# Allegro board Chronos.brd
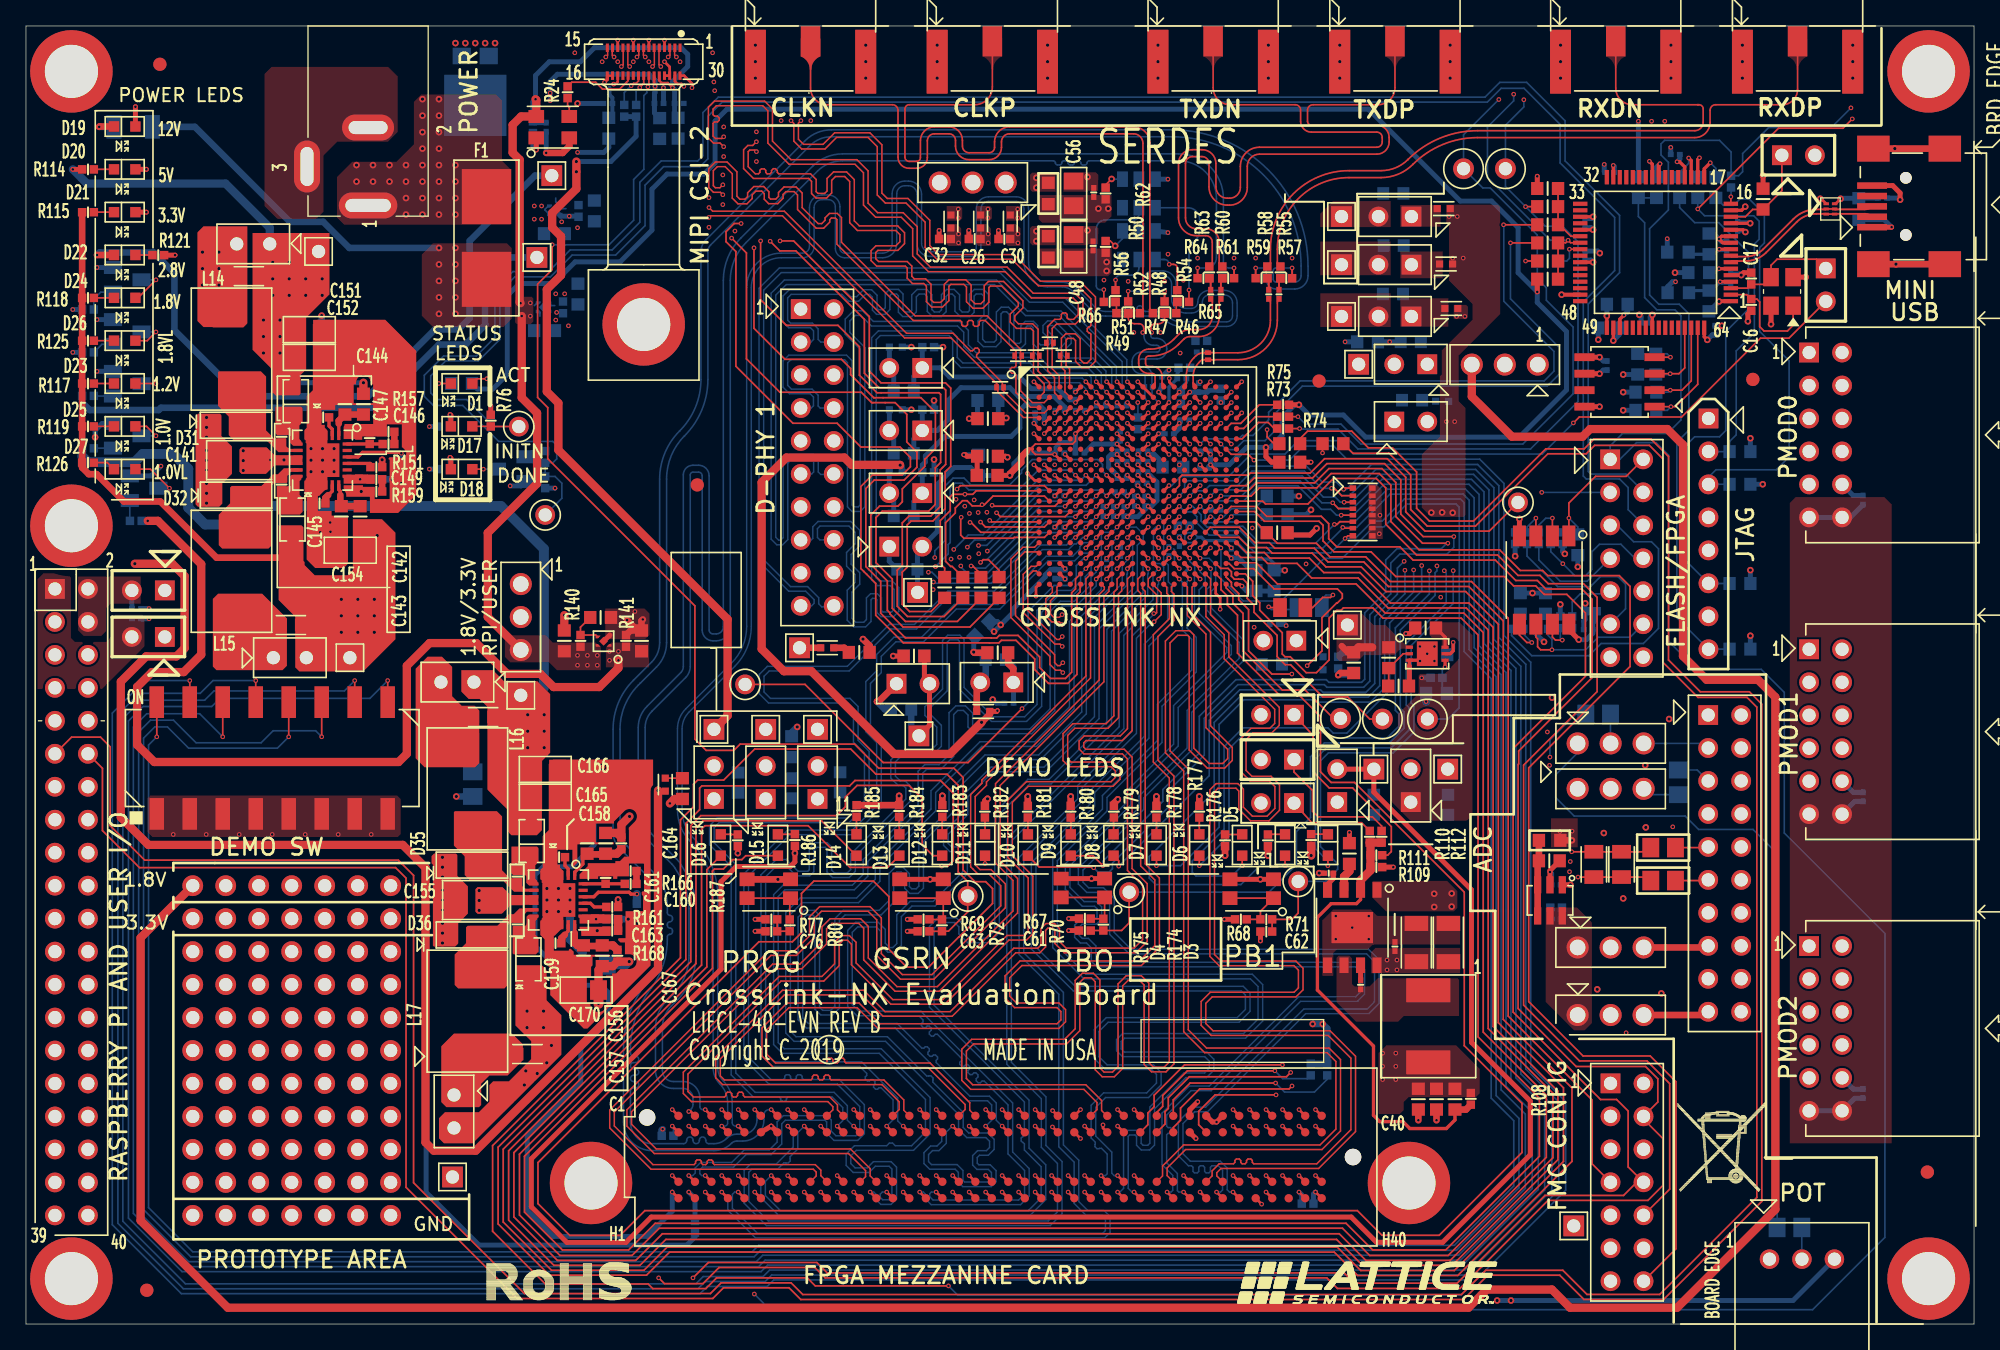
[diagram p0: board, top side]
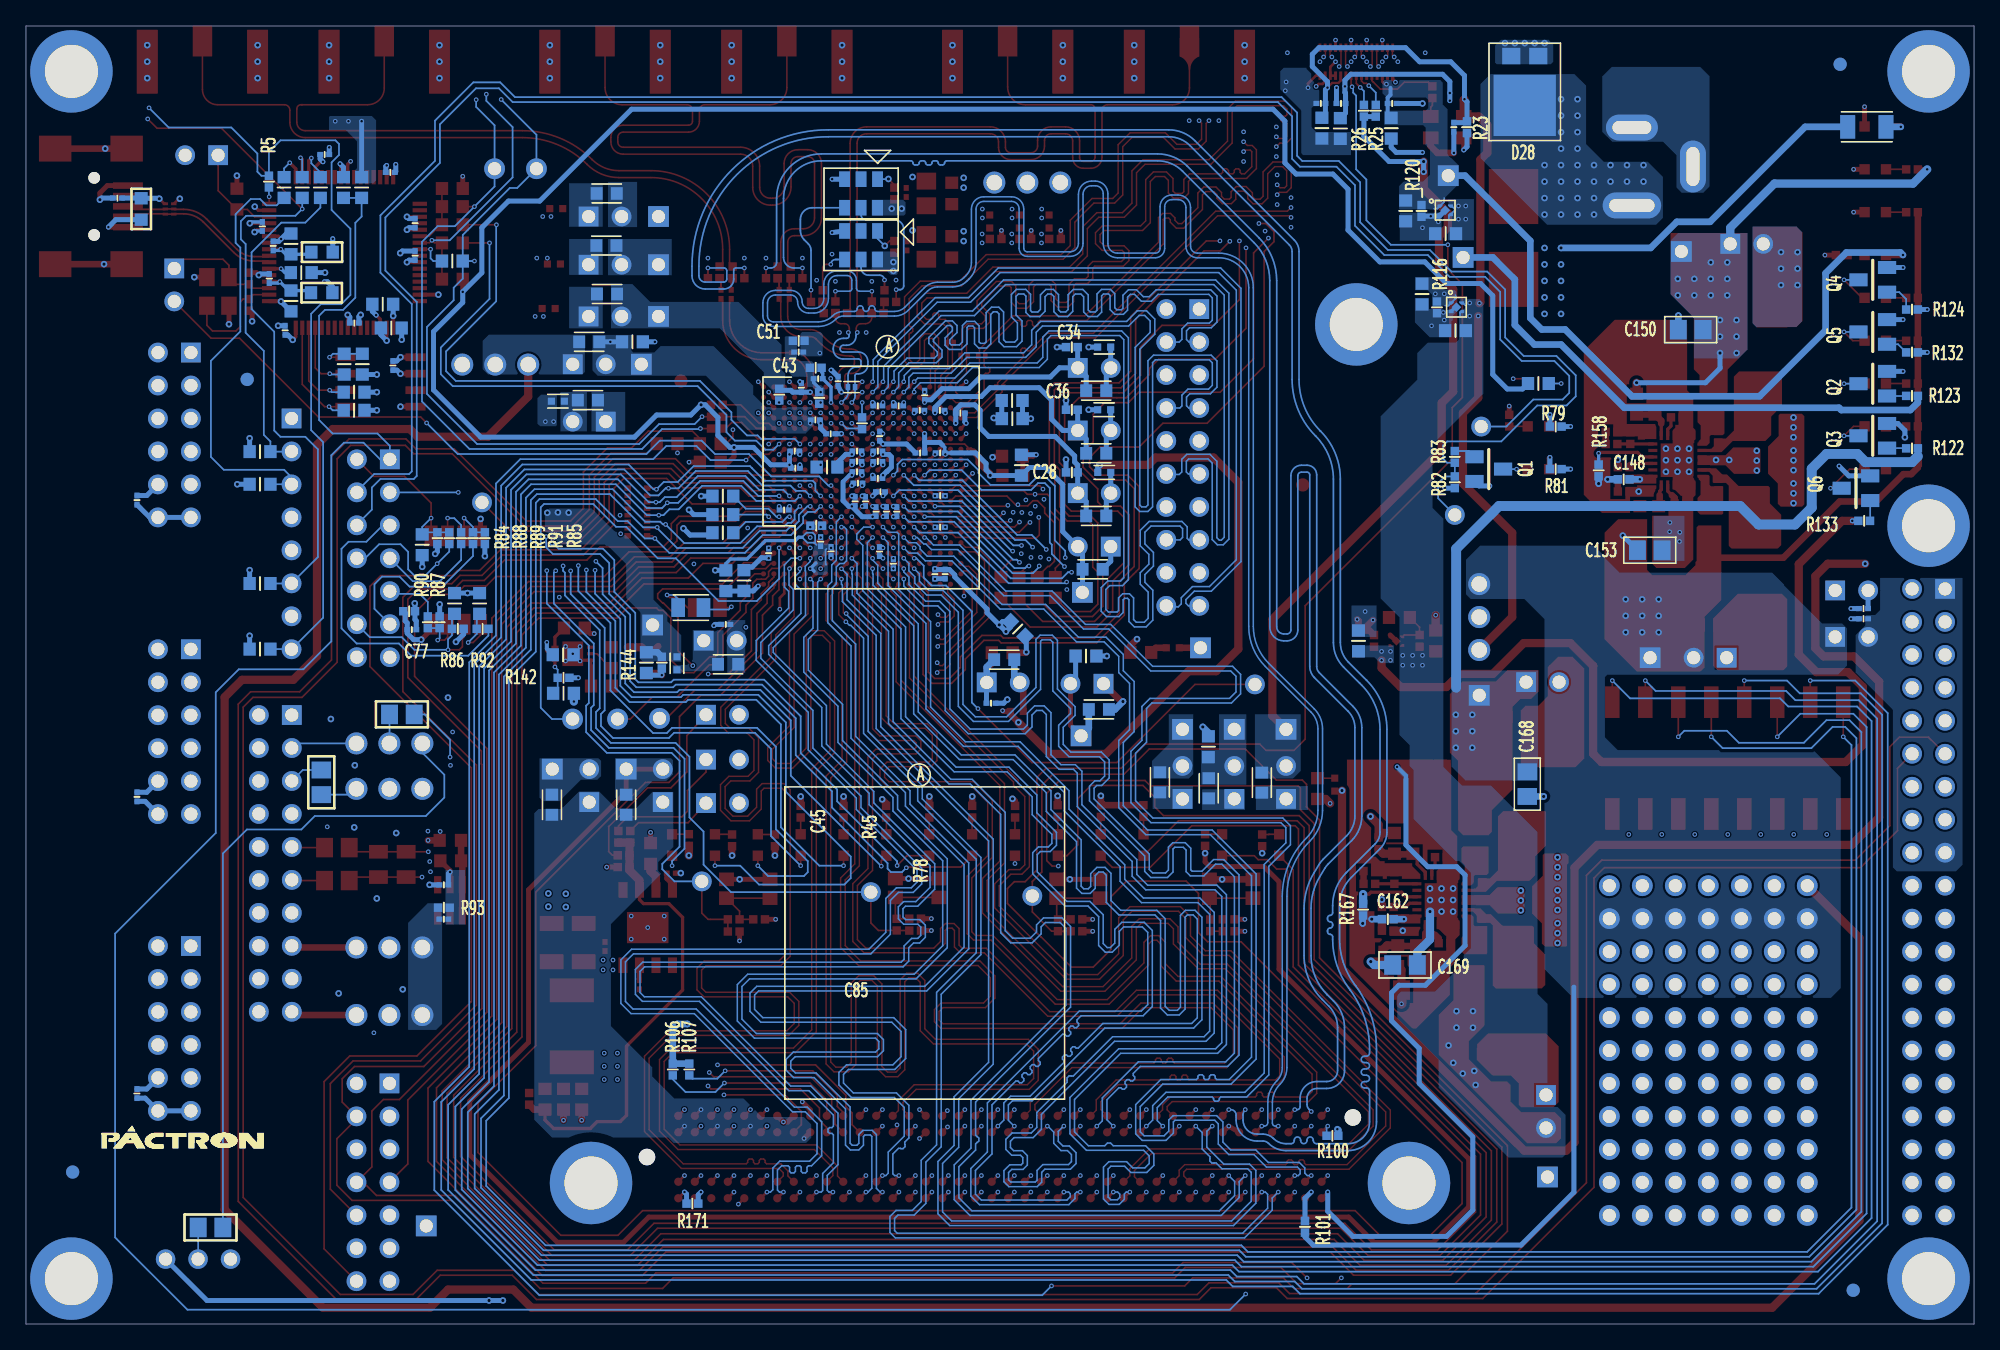
[diagram p1: board, bottom side, seen from below]

Outline 150 x 100 mm; copper layers: TOP, L02_GND, L03_PWR, L04_SIG, L05_GND, BOTTOM. Coordinates in mm from the lower left corner of the outline.
Outline path: 0,100 0,0 150,0 150,100 0,100

## Design rules (mm)
net group CLOCK_125MZ: nets 125MHZ 125MHZ_N
net group CLOCK_200MZ: nets 200MHZ 200MHZ_N
net group DIFFPAIR4: nets TXDNF TXDPF
net group DIFFPAIR6: nets DM DP
net group DIFFPAIR7: nets RXDN RXDP
net group DIFFPAIR8: nets TXDN TXDP
net group DIFFPAIR9: nets OSCN OSCP
net group DIFFPAIR10: nets TXDN_FMC TXDP_FMC
net group DIFFPAIR11: nets RXDN_FMC RXDP_FMC
net group DIFFPAIR12: nets DPHY1_CKN DPHY1_CKP
net group DIFFPAIR13: nets DPHY1_DN0 DPHY1_DP0
net group DIFFPAIR14: nets DPHY1_DN1 DPHY1_DP1
net group DIFFPAIR15: nets DPHY1_DN2 DPHY1_DP2
net group DIFFPAIR40: nets DPHY1_DN3 DPHY1_DP3
net group DIFFPAIR41: nets REFCLKN_FMC REFCLKP_FMC
net group DIFFPAIR52: nets CAM0_2N CAM0_2P
net group DIFFPAIR53: nets CAM0_0N CAM0_0P
net group DIFFPAIR54: nets CAM0_CLKN CAM0_CLKP
net group DIFFPAIR55: nets CAM0_1N CAM0_1P
net group DIFFPAIR56: nets CAM0_3N CAM0_3P
net group ADC_GROUP: nets N17168384 N17168405 N17171687 N17361222 N17453585 N17456025
net group PMOD0: nets PMOD0_1 PMOD0_2 PMOD0_3 PMOD0_4 PMOD0_7 PMOD0_8 PMOD0_9 PMOD0_10
net group PMOD1: nets PMOD1_1 PMOD1_2 PMOD1_3 PMOD1_4 PMOD1_7 PMOD1_8 PMOD1_9 PMOD1_10
net group PMOD2: nets PMOD2_1 PMOD2_2 PMOD2_3 PMOD2_4 PMOD2_7 PMOD2_8 PMOD2_9 PMOD2_10
net group POWER: nets N17051987 N17052185 N17052239 N17104181 N17321965 N17329427 N17329480 N17329573 VBUS_5V
net group RASP_IO: nets RASP_ID_SC RASP_ID_SD RASP_IO14 RASP_IO15 RASP_IO17 RASP_IO18

## Placement (name value [footprint] x y rotation side)
AA1  T POINT R  [TP]  28.08 33.77 0 top
AA2  T POINT R  [TP]  25.54 31.23 90 top
AA3  T POINT R  [TP]  28.08 13.45 90 top
AA4  T POINT R  [TP]  20.46 13.45 90 top
AA5  T POINT R  [TP]  28.08 28.69 90 top
AA6  T POINT R  [TP]  28.08 26.15 90 top
AA7  T POINT R  [TP]  28.08 23.61 90 top
AA8  T POINT R  [TP]  28.08 21.07 90 top
AA9  T POINT R  [TP]  28.08 18.53 90 top
AA10  T POINT R  [TP]  28.08 10.91 90 top
AA11  T POINT R  [TP]  28.08 8.37 0 top
AB1  T POINT R  [TP]  25.54 33.77 0 top
AB2  T POINT R  [TP]  23 31.23 90 top
AB3  T POINT R  [TP]  25.54 26.15 90 top
AB4  T POINT R  [TP]  25.54 23.61 90 top
AB5  T POINT R  [TP]  25.54 21.07 90 top
AB6  T POINT R  [TP]  25.54 18.53 90 top
AB7  T POINT R  [TP]  25.54 15.99 90 top
AB8  T POINT R  [TP]  25.54 13.45 90 top
AB9  T POINT R  [TP]  25.54 10.91 90 top
AB10  T POINT R  [TP]  28.08 15.99 90 top
AB11  T POINT R  [TP]  25.54 8.37 0 top
AC1  T POINT R  [TP]  23 33.77 0 top
AC2  T POINT R  [TP]  20.46 31.23 90 top
AC3  T POINT R  [TP]  23 15.99 90 top
AC4  T POINT R  [TP]  23 23.61 90 top
AC5  T POINT R  [TP]  23 26.15 90 top
AC6  T POINT R  [TP]  23 28.69 90 top
AC7  T POINT R  [TP]  25.54 28.69 90 top
AC8  T POINT R  [TP]  23 10.91 90 top
AC9  T POINT R  [TP]  23 13.45 90 top
AC10  T POINT R  [TP]  23 21.07 90 top
AC11  T POINT R  [TP]  23 8.37 0 top
AD1  T POINT R  [TP]  20.46 33.77 0 top
AD2  T POINT R  [TP]  28.08 31.23 90 top
AD3  T POINT R  [TP]  20.46 21.07 90 top
AD4  T POINT R  [TP]  20.46 10.91 90 top
AD5  T POINT R  [TP]  20.46 18.53 90 top
AD6  T POINT R  [TP]  23 18.53 90 top
AD7  T POINT R  [TP]  20.46 28.69 90 top
AD8  T POINT R  [TP]  20.46 26.15 90 top
AD9  T POINT R  [TP]  20.46 23.61 90 top
AD10  T POINT R  [TP]  20.46 15.99 90 top
AD11  T POINT R  [TP]  20.46 8.37 0 top
AE1  T POINT R  [TP]  17.92 33.77 0 top
AE2  T POINT R  [TP]  17.92 31.23 90 top
AE3  T POINT R  [TP]  17.92 23.61 90 top
AE4  T POINT R  [TP]  17.92 18.53 90 top
AE5  T POINT R  [TP]  17.92 15.99 90 top
AE6  T POINT R  [TP]  17.92 13.45 90 top
AE7  T POINT R  [TP]  17.92 10.91 90 top
AE8  T POINT R  [TP]  17.92 28.69 90 top
AE9  T POINT R  [TP]  17.92 21.07 90 top
AE10  T POINT R  [TP]  17.92 26.15 90 top
AE11  T POINT R  [TP]  17.92 8.37 0 top
AF1  T POINT R  [TP]  15.38 33.77 0 top
AF2  T POINT R  [TP]  15.38 31.23 0 top
AF3  T POINT R  [TP]  15.38 28.69 0 top
AF4  T POINT R  [TP]  15.38 26.15 0 top
AF5  T POINT R  [TP]  15.38 23.61 0 top
AF6  T POINT R  [TP]  15.38 21.07 0 top
AF7  T POINT R  [TP]  15.38 18.53 0 top
AF8  T POINT R  [TP]  15.38 15.99 0 top
AF9  T POINT R  [TP]  15.38 13.45 0 top
AF10  T POINT R  [TP]  15.38 10.91 0 top
AF11  T POINT R  [TP]  15.38 8.37 0 top
AG1  T POINT R  [TP]  12.84 33.77 0 top
AG2  T POINT R  [TP]  12.84 31.23 0 top
AG3  T POINT R  [TP]  12.84 28.69 0 top
AG4  T POINT R  [TP]  12.84 26.15 0 top
AG5  T POINT R  [TP]  12.84 23.61 0 top
AG6  T POINT R  [TP]  12.84 21.07 0 top
AG7  T POINT R  [TP]  12.84 18.53 0 top
AG8  T POINT R  [TP]  12.84 15.99 0 top
AG9  T POINT R  [TP]  12.84 13.45 0 top
AG10  T POINT R  [TP]  12.84 10.91 0 top
AG11  T POINT R  [TP]  12.84 8.37 0 top
C1  0.1uF  [C0201]  124.72 77.12 180 bottom
C2  0.1uF  [C0201]  120.04 82.31 90 bottom
C3  0.1uF  [C0201]  127 90.1 180 bottom
C4  0.1uF  [C0201]  121.95 88.72 180 bottom
C5  10uF  [C0603]  121.87 76.73 0 bottom
C6  4.7uF  [C0603]  129.59 83.21 270 bottom
C7  0.1uF  [C0201]  130.96 83.06 90 bottom
C8  0.1uF  [C0201]  142.96 86.74 0 bottom
C9  0.1uF  [C0201]  131.27 80.54 90 bottom
C10  4.7uF  [C0603]  129.59 78.82 90 bottom
C11  0.1uF  [C0201]  120.04 84.81 90 bottom
C12  0.1uF  [C0201]  131.8 84.56 90 bottom
C13  0.1uF  [C0201]  130.05 76.56 90 bottom
C14  10uF  [C0603]  122.53 78.56 180 bottom
C15  0.1uF  [C0201]  121.74 73.84 90 bottom
C16  18pF  [C0402]  132.84 78.51 90 top
C17  18pF  [C0402]  132.84 80.54 270 top
C18  0.1uF  [C0201]  44.8 94.03 180 bottom
C19  0.1uF  [C0201]  48.74 94.03 0 bottom
C20  0.1uF  [C0201]  40.06 92.2 270 bottom
C21  1uF  [C0603]  44.88 92.12 270 bottom
C22  10uF  [C0603]  48.79 92.1 270 bottom
C23  1uF  [C0603]  50.22 92.13 270 bottom
C24  0.1uF  [C0201]  50.29 94.03 0 bottom
C25  0.1uF  [C0201]  82.8 70.74 0 bottom
C26  10uF  [C0402]  73.05 83.59 180 top
C27  0.1uF  [C0201]  78.05 70.18 180 bottom
C28  10uF  [C0402]  69.47 65.61 0 bottom
C29  0.1uF  [C0201]  84.4 70.74 0 bottom
C30  10uF  [C0402]  75.34 83.59 180 top
C31  0.1uF  [C0201]  81.18 70.38 0 bottom
C32  10uF  [C0402]  70.76 83.59 180 top
C33  0.1uF  [C0201]  80.8 71.55 90 bottom
C34  10uF  [C0402]  69.47 75.26 0 bottom
C35  0.1uF  [C0201]  79.63 70.38 180 bottom
C36  10uF  [C0402]  69.47 70.43 0 bottom
C37  0.1uF  [C0201]  8.51 55.12 0 bottom
C38  0.1uF  [C0201]  8.51 54.33 0 bottom
C39  10uF  [C0603]  68.38 51.46 180 top
C40  10uF  [C0603]  68.38 51.46 180 bottom
C41  0.1uF  [C0201]  79.6 63.81 0 bottom
C42  0.1uF  [C0201]  79.6 61.39 0 bottom
C43  10uF  [C0402]  89.19 73.67 180 bottom
C44  0.1uF  [C0201]  89 72.83 180 bottom
C45  10uF  [C0402]  92 71.6 90 bottom
C46  0.1uF  [C0201]  90.3 72.14 270 bottom
C47  0.1uF  [C0201]  87.47 72.63 270 bottom
C48  1UF-16V-0805SMT  [RLP-133]  80.67 82.98 180 top
C49  0.1uF  [C0201]  82.17 83.06 270 top
C50  0.1uF  [C0201]  96.48 79.32 270 top
C51  10uF  [C0402]  90.5 75.74 180 bottom
C52  0.1uF  [C0201]  90.5 74.88 180 bottom
C53  0.1uF  [C0201]  95.69 79.32 270 top
C54  0.1uF  [C0201]  92.01 79.32 270 top
C55  0.1uF  [C0201]  91.22 79.32 270 top
C56  1UF-16V-0805SMT  [RLP-133]  80.67 87.1 180 top
C57  0.1uF  [C0201]  82.22 87.17 270 top
C58  10uF  [C0603]  94.72 57.28 270 bottom
C59  0.1uF  [C0201]  91.62 62.71 0 bottom
C60  0.1uF  [C0201]  92.81 59.39 90 bottom
C61  10nF  [RLP-130-A]  81.53 30.31 270 top
C62  10nF  [RLP-130-A]  95.5 30.24 270 top
C63  10nF  [RLP-130-A]  69.11 30.26 270 top
C64  10uF  [C0603]  97.31 66.4 0 top
C65  0.1uF  [C0201]  90.76 65.94 180 bottom
C66  0.1uF  [C0201]  90.81 67.25 180 bottom
C67  0.1uF  [C0201]  141.45 63.47 90 bottom
C68  10uF  [C0603]  74.01 65.38 180 top
C69  10uF  [C0603]  73.36 66.17 90 bottom
C70  0.1uF  [C0201]  79.6 67.11 0 bottom
C71  0.1uF  [C0201]  81.15 67.11 0 bottom
C72  0.1uF  [C0201]  141.45 40.61 90 bottom
C73  0.1uF  [C0201]  141.45 17.75 90 bottom
C74  10uF  [C0603]  103.3 75.67 180 bottom
C75  0.1uF  [C0201]  89.22 69.65 180 bottom
C76  10nF  [RLP-130-A]  57.39 30.26 270 top
C77  10nF  [RLP-130-A]  120.5 54.91 90 bottom
C78  0.1uF  [C0201]  120.29 53.49 180 bottom
C79  20pF  [RLP-132]  119.49 60.03 180 bottom
C80  20pF  [RLP-132]  115.07 55.51 0 bottom
C81  20pF  [RLP-132]  117 55.51 0 bottom
C82  1uF  [C0603]  117.3 35.69 0 top
C83  0.1uF  [C0201]  117.82 31.19 180 bottom
C84  0.1uF  [C0201]  117.82 33.83 180 bottom
C85  10uF  [C0402]  89.15 61.5 0 bottom
C86  0.1uF  [C0201]  96.11 53.9 180 bottom
C87  1600pF  [C0805]  98.81 55.19 180 bottom
C88  1600pF  [C0805]  97.54 55.19 180 top
C89  1600pF  [C0805]  120.73 35.41 270 top
C90  1600pF  [C0805]  122.86 35.41 270 top
C91  10uF  [C0603]  73.63 53.54 225 bottom
C92  0.1uF  [C0201]  80.01 57.77 270 bottom
C93  0.1uF  [C0201]  79.22 57.77 270 bottom
C94  10uF  [C0603]  58.95 44.48 90 bottom
C95  0.1uF  [C0201]  83.21 58.57 90 bottom
C96  0.1uF  [C0201]  84.28 59.51 270 bottom
C97  10uF 25V 1206  [C1206]  107.06 29.39 90 top
C98  10uF 25V 1206  [C1206]  109.52 29.39 90 top
C99  0.1uF  [C0201]  105.41 29.08 90 top
C100  0.1uF  [C0201]  102.77 26.14 270 top
C101  0.1nF  [C0603]  110.03 17.32 270 top
C102  1uF  [C0603]  101.9 36.25 90 top
C103  22uF  [C0603]  107.21 17.32 270 top
C104  22uF  [C0603]  108.61 17.32 270 top
C105  3.3nF  [C0201]  100.31 34.73 180 top
C106  0.1uF  [C0201]  88.01 59.52 270 bottom
C107  0.1uF  [C0201]  88.81 60.28 90 bottom
C108  10uF  [C0603]  96.11 57.27 270 bottom
C109  1.0uF  [C0603]  39.93 76.53 0 bottom
C110  1.0uF  [C0603]  42.5 79.35 270 bottom
C111  1.0uF  [C0603]  40.69 84 0 bottom
C112  1.0uF  [C0603]  43.76 85.75 270 bottom
C113  0.1uF  [C0201]  84.26 68.4 270 bottom
C114  0.1uF  [C0201]  84.4 66.45 0 bottom
C115  0.1uF  [C0201]  84.2 64.11 0 bottom
C116  0.1uF  [C0201]  85.94 64.78 180 bottom
C117  0.1uF  [C0201]  86.02 66.45 180 bottom
C118  0.1uF  [C0201]  88.04 68.58 0 bottom
C119  0.1uF  [C0201]  83.75 62.59 90 bottom
C120  0.1uF  [C0201]  85.36 63.37 90 bottom
C121  10uF-16V-0603SMT  [C0603]  74.05 69.75 0 bottom
C122  10uF-16V-0603SMT  [C0603]  74.07 69.75 0 top
C123  10uF-16V-0603SMT  [C0603]  74.07 71.15 0 bottom
C124  0.1uF  [C0201]  86.02 67.25 180 bottom
C125  10uF-16V-0603SMT  [C0603]  88.32 66.01 180 bottom
C126  0.1uF  [C0201]  86.02 65.65 180 bottom
C127  0.1uF  [C0201]  82.95 62.59 90 bottom
C128  0.1uF  [C0201]  84.4 67.25 0 bottom
C129  0.1uF  [C0201]  84.55 62.59 90 bottom
C130  0.1uF  [C0201]  84.4 65.15 0 bottom
C131  0.1uF  [C0201]  86.16 63.37 90 bottom
C132  0.1uF  [C0201]  75.69 47.83 180 bottom
C133  10uF-16V-0603SMT  [C0603]  74.04 66.85 0 top
C134  10uF-16V-0603SMT  [C0603]  74.83 51.71 0 top
C135  1uF  [C0603]  41.45 52.63 90 top
C136  1uF  [C0603]  107.77 53.62 180 top
C137  1uF  [C0603]  47.4 52.63 90 top
C138  10uF  [C0603]  47.4 52.63 90 bottom
C139  1uF  [C0603]  102.23 50.95 270 top
C140  10uF  [C0603]  102.23 50.95 270 bottom
C141  10uF,25V-1206SMT  [RLP-134]  16.41 66.55 270 top
C142  220NF-0402SMT  [RLP-130-A]  19.68 68.35 180 top
C143  220NF-0402SMT  [RLP-130-A]  19.68 64.67 180 top
C144  1000pF-0402SMT  [RLP-130-A]  22.89 69.85 90 top
C145  1000pF-0402SMT  [RLP-130-A]  22.61 63.22 270 top
C146  330pF-0402SMT  [RLP-130-A]  27.91 67.79 90 top
C147  10pF-0402SMT  [RLP-130-A]  26.47 68.25 180 top
C148  10pF-0402SMT  [RLP-130-A]  26.97 65.07 270 bottom
C149  330pF-0402SMT  [RLP-130-A]  26.97 65.07 90 top
C150  22uF,6.3V-0805SMT  [RLP-133]  21.82 76.61 270 bottom
C151  22uF,6.3V-0805SMT  [RLP-133]  21.82 76.61 90 top
C152  22uF,6.3V-0805SMT  [RLP-133]  21.82 74.47 90 top
C153  22uF,6.3V-0805SMT  [RLP-133]  24.97 59.61 90 bottom
C154  22uF,6.3V-0805SMT  [RLP-133]  24.97 59.61 270 top
C155  10uF,25V-1206SMT  [RLP-134]  34.58 32.66 270 top
C156  220NF-0402SMT  [RLP-130-A]  37.85 34.47 180 top
C157  220NF-0402SMT  [RLP-130-A]  37.85 30.78 180 top
C158  1000pF-0402SMT  [RLP-130-A]  41.05 35.97 90 top
C159  1000pF-0402SMT  [RLP-130-A]  40.77 29.34 270 top
C160  330pF-0402SMT  [RLP-130-A]  46.56 33.91 90 top
C161  10pF-0402SMT  [RLP-130-A]  44.63 34.37 180 top
C162  10pF-0402SMT  [RLP-130-A]  45.14 31.19 270 bottom
C163  330pF-0402SMT  [RLP-130-A]  45.14 31.19 90 top
C164  10pF-0402SMT  [RLP-130-A]  45.85 37.03 0 top
C165  22uF,6.3V-0805SMT  [RLP-133]  39.99 40.59 90 top
C166  22uF,6.3V-0805SMT  [RLP-133]  39.99 42.72 90 top
C167  10pF-0402SMT  [RLP-130-A]  45.54 28.37 0 top
C168  22uF,6.3V-0805SMT  [RLP-133]  34.4 41.59 180 bottom
C169  22uF,6.3V-0805SMT  [RLP-133]  43.81 27.66 90 bottom
C170  22uF,6.3V-0805SMT  [RLP-133]  43.14 25.73 270 top
CN1  camconn_imx258_1x30  [CAMCONN]  47.57 97.25 180 top
D1  LED_GREEN_0603  [APT1608]  33.54 72.46 90 top
D2  ESDR0502N-UDFN6  [UDFN6_040]  138.94 85.9 270 top
D3  LED_GREEN_0603  [APT1608]  100.25 36.9 0 top
D4  LED_GREEN_0603  [APT1608]  96.95 36.9 0 top
D5  LED_GREEN_0603  [APT1608]  93.65 36.9 0 top
D6  LED_GREEN_0603  [APT1608]  90.35 36.9 0 top
D7  LED_GREEN_0603  [APT1608]  87.05 36.9 0 top
D8  LED_GREEN_0603  [APT1608]  83.75 36.9 0 top
D9  LED_GREEN_0603  [APT1608]  80.45 36.9 0 top
D10  LED_GREEN_0603  [APT1608]  77.15 36.9 0 top
D11  LED_GREEN_0603  [APT1608]  73.85 36.9 0 top
D12  LED_GREEN_0603  [APT1608]  70.55 36.9 0 top
D13  LED_GREEN_0603  [APT1608]  67.25 36.9 0 top
D14  LED_GREEN_0603  [APT1608]  63.95 36.9 0 top
D15  LED_YELLOW_0603  [APT1608]  57.9 36.9 0 top
D16  LED_YELLOW_0603  [APT1608]  53.5 36.9 0 top
D17  LED_RED_0603  [APT1608]  33.54 69.16 90 top
D18  LED_GREEN_0603  [APT1608]  33.54 65.86 90 top
D19  LED_GREEN_0603  [APT1608]  7.6 92.26 90 top
D20  LED_GREEN_0603  [APT1608]  7.6 88.96 90 top
D21  LED_GREEN_0603  [APT1608]  7.6 85.66 90 top
D22  LED_GREEN_0603  [APT1608]  7.6 82.36 90 top
D23  LED_GREEN_0603  [APT1608]  7.6 72.46 90 top
D24  LED_GREEN_0603  [APT1608]  7.6 79.06 90 top
D25  LED_GREEN_0603  [APT1608]  7.6 69.16 90 top
D26  LED_GREEN_0603  [APT1608]  7.6 75.76 90 top
D27  LED_GREEN_0603  [APT1608]  7.6 65.86 90 top
D28  SCHOTTKY/VISHAY-V12P10  [V12P10]  34.59 94.92 0 bottom
D29  -  [1N4448W]  20.78 71.09 180 top
D30  -  [1N4448W]  20.52 61.98 0 top
D31  -  [DFLS220L]  15.93 69.24 270 top
D32  -  [DFLS220L]  15.93 63.86 270 top
D33  -  [1N4448W]  38.94 37.21 180 top
D34  -  [1N4448W]  38.69 28.09 0 top
D35  -  [DFLS220L]  34.09 35.36 270 top
D36  -  [DFLS220L]  34.09 29.97 270 top
F1  F1251CT-ND  [0154010]  35.46 83.67 0 top
FB1  MPZ1005S121CT000  [FB0402]  109.35 81.66 0 top
FB2  MPZ1005S121CT000  [FB0402]  109.75 78.23 0 top
FB3  MPZ1005S121CT000  [FB0402]  109.17 85.93 0 top
FB4  MPZ1005S121CT000  [FB0402]  99.87 50.9 90 bottom
FB5  MPZ1005S121CT000  [FB0402]  109.04 71.09 0 bottom
FB6  MPZ1005S121CT000  [FB0402]  73.71 47.19 0 top
FB7  MPZ1005S121CT000  [FB0402]  61.7 52.1 180 top
FB8  MPZ1005S121CT000  [FB0402]  49.23 41.55 270 top
J1  Header 1x8  [HDR_AMP_87220_8_1X8_100]  129.55 69.76 270 top
J2  USB_MINI_B  [USB_MINI_B-1734035-2]  150 86.1 90 top
J3  Header_2x1  [HEADER_2X1]  67.74 64.01 180 top
J4  Header_2x1  [HEADER_2X1]  67.74 73.66 180 top
J5  Header_2x1  [HEADER_2X1]  67.74 68.83 180 top
J6  Header_2x10  [HEADER_2X10]  60.93 66.76 270 top
J7  Header_2x1  [HEADER_2X1]  105.41 81.61 180 top
J8  Header_2x1  [HEADER_2X1]  105.41 77.62 180 top
J9  Header_2x1  [HEADER_2X1]  105.41 85.32 180 top
J10  SMA  [901-10309]  74.41 100 180 top
J11  SMA  [901-10309]  136.41 100 180 top
J12  SMA  [901-10309]  105.41 100 180 top
J13  -  [CON3]  72.9 87.93 180 top
J14  SMA  [901-10309]  60.41 100 180 top
J15  SMA  [901-10309]  122.41 100 180 top
J16  SMA  [901-10309]  91.41 100 180 top
J17  PMOD 2x6  [PPPC062LJBN-RC]  150.14 68.49 270 top
J18  PMOD 2x6  [PPPC062LJBN-RC]  150.14 45.63 270 top
J19  PMOD 2x6  [PPPC062LJBN-RC]  150.14 22.77 270 top
J20  Header_2x7  [HEADER_2X7]  123.25 58.99 270 top
J21  -  [CON3]  122.02 23.81 0 top
J22  -  [CON3]  122.02 29.01 0 top
J23  Header_2x1  [HEADER_2X1]  96.55 52.64 180 top
J24  -  [CON3]  122.02 44.73 0 top
J25  -  [CON3]  122.02 41.23 0 top
J26  Header_2x10  [HEADER_2X10]  130.8 35.49 270 top
J27  Header_2x7  [HEADER_2X7]  123.28 10.92 270 top
J28  Header_2x1  [HEADER_2X1]  106.63 73.94 180 top
J29  Header_2x1  [HEADER_2X1]  106.63 41.48 90 top
J30  Header_2x1  [HEADER_2X1]  100.97 41.48 90 top
J31  Header_2x1  [HEADER_2X1]  68.3 49.33 0 top
J32  Header_2x1  [HEADER_2X1]  67.74 59.89 0 top
J33  -  [CON3]  38.1 54.46 270 top
J34  Header_2x1  [HEADER_2X1]  60.95 41.72 90 top
J35  Header_2x1  [HEADER_2X1]  56.96 41.72 90 top
J36  Header_2x1  [HEADER_2X1]  52.97 41.72 90 top
J37  Header_2x1  [HEADER_2X1]  106.63 69.52 0 top
J38  Header_2x1  [HEADER_2X1]  74.75 49.43 180 top
J39  PJ-002A  [PJ_002A_3P]  26.34 86.17 90 top
J40  Header_2x1  [HEADER_2X1]  17.5 83.21 180 top
J41  Header_2x1  [HEADER_2X1]  20.32 51.33 0 top
J42  Header_2x1  [HEADER_2X1]  33.22 49.45 180 top
J43  Header_2x1  [HEADER_2X1]  32.96 16.38 270 top
J44  -  [CON3]  113.87 73.91 180 top
JP1  JUMPER  [HEADER_1X2]  135.2 90.04 0 top
JP2  JUMPER  [HEADER_1X2]  138.58 81.32 270 top
JP3  JUMPER  [HEADER_1X2]  10.69 52.93 180 top
JP4  JUMPER  [HEADER_1X2]  10.69 56.52 180 top
JP5  Receptacle 20X2  [HDR254-2X20_SOCKET]  3.5 32.5 270 bottom
JP6  JUMPER  [HEADER_1X2]  97.64 43.48 180 top
JP7  JUMPER  [HEADER_1X2]  97.64 46.94 180 top
JP8  JUMPER  [HEADER_1X2]  97.64 40.13 180 top
L1  600ohm 500mA  [FB0603]  127.2 82.58 180 bottom
L2  600ohm 500mA  [FB0603]  141.13 85.9 270 bottom
L3  600ohm 500mA  [FB0603]  127.23 79.45 180 bottom
L4  220ohm 500mA  [FB0402]  73.51 84.94 90 top
L5  220ohm 500mA  [FB0402]  66.97 65.61 0 bottom
L6  220ohm 500mA  [FB0402]  75.79 84.94 90 top
L7  220ohm 500mA  [FB0402]  66.98 75.26 0 bottom
L8  220ohm 500mA  [FB0402]  71.22 84.94 90 top
L9  220ohm 500mA  [FB0402]  66.98 70.43 0 bottom
L10  600ohm 500mA  [FB0603]  78.71 82.98 90 top
L11  600ohm 500mA  [FB0603]  78.71 87.1 90 top
L12  600ohm 500mA  [FB0603]  117.32 37.26 0 top
L13  2.2uH SPM6530T-2R2M  [SPM6530T-2R2M]  107.98 22.94 270 top
L14  4.7uH-SPD62R-472M  [SPD62R]  15.82 75.11 0 top
L15  4.7uH-SPD62R-472M  [SPD62R]  15.82 57.99 180 top
L16  4.7uH-SPD62R-472M  [SPD62R]  33.99 41.22 0 top
L17  4.7uH-SPD62R-472M  [SPD62R]  33.99 24.1 180 top